# Altium PCB PCB_ovladaci_karta.PcbDoc (part 3 of 4)
Units mm, origin at the board's own origin, x right, y up, seen from the top; angles counter-clockwise.
Board outline 99.2 x 100 mm, 6 copper layers (Top Layer, Inner Layer 2(GND), Inner Layer 3, Inner Layer 4, Inner Layer 5, Bottom Layer 1), stack 1.548 mm thick; 236 components, 248 nets, 895 pads, 601 vias.
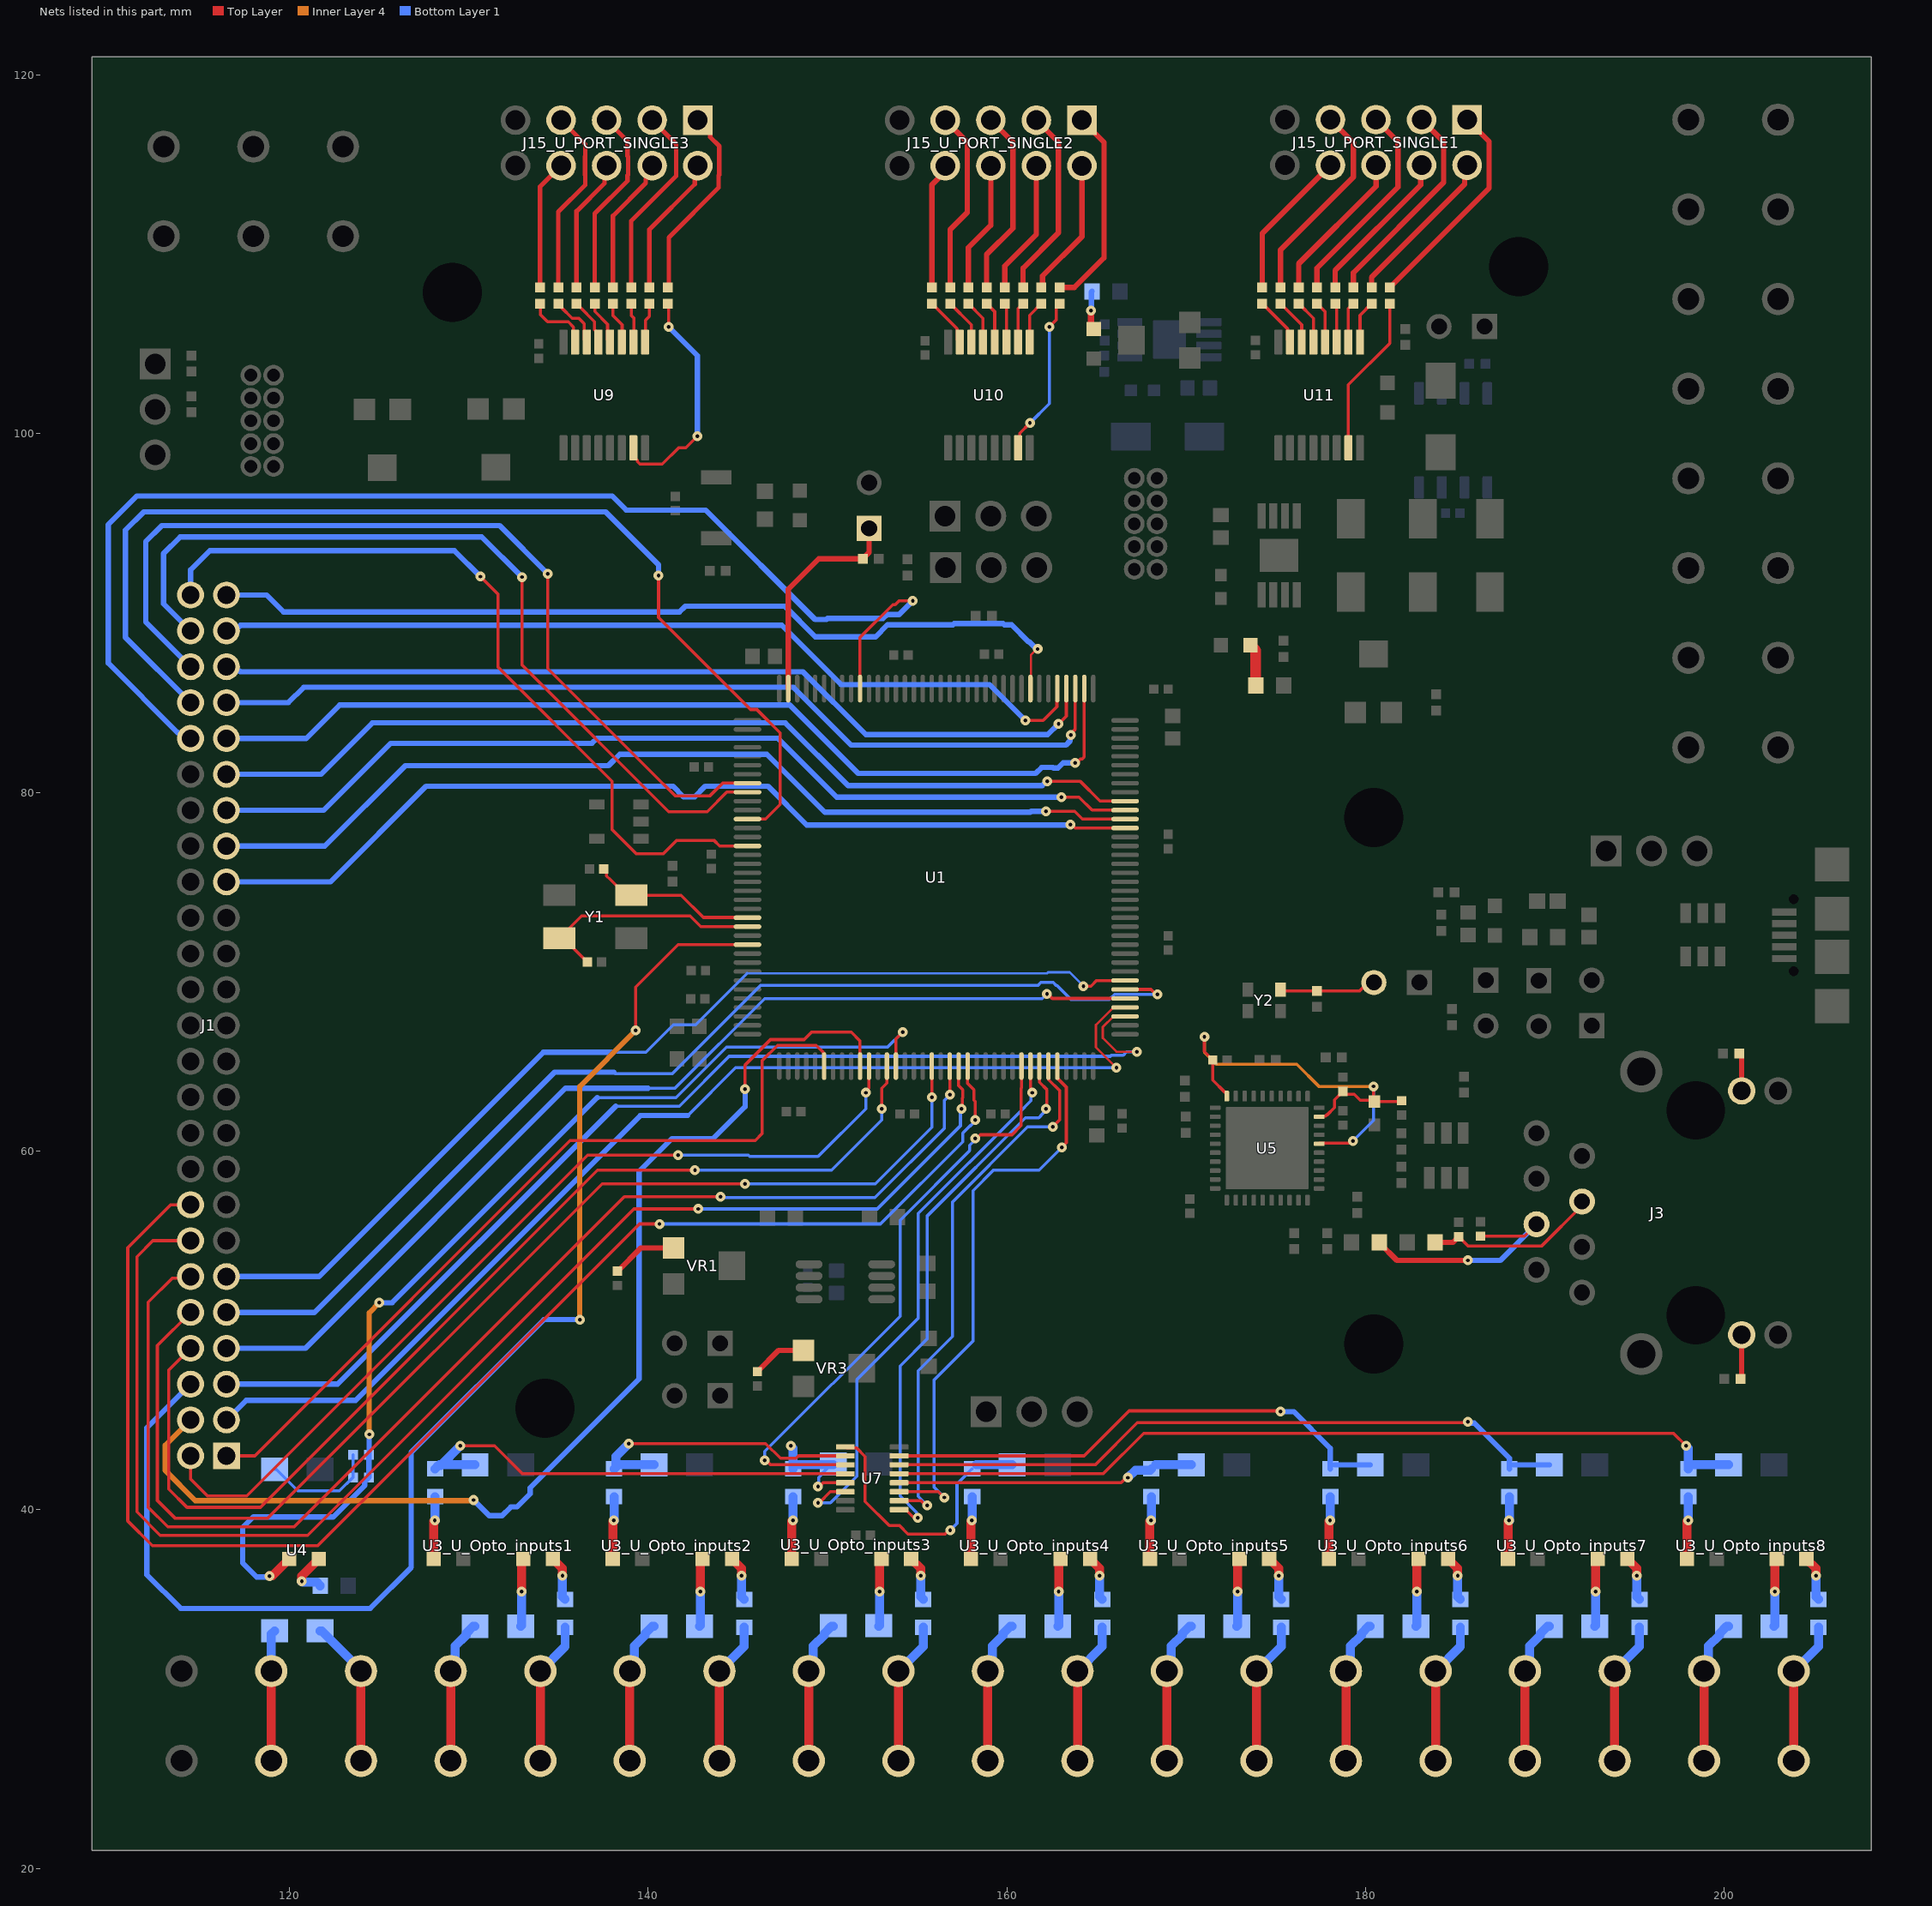
[diagram p7: the nets of this part, all layers, seen from the top]

## Via types
v1: diameter 0.55, hole 0.21, Top Layer to Bottom Layer 1, tented both sides, 589 vias
v2: diameter 0.5, hole 0.2, Top Layer to Bottom Layer 1, 12 vias

## Nets (pads, with @x,y where several pads share a name; then routed paths per layer and width w, separated by ;. In a path a pad name is that pad's centre, name@x,y a point inside that pad or via, vN(x,y) a via of type N, cw(c..) or ccw(c..) an arc to the next point about the centre after c; other vN are vias at no path point) (continued)
MUX_D_6: J1.1 U1.42 | length 46.1
  Top Layer w0.17: J1.1@116.5,43 118.082,43 135.661,60.579 145.974,60.579 146.368,60.973 146.368,65.037 147.218,65.888 149.381,65.888 149.78,65.489 149.78,65.442 149.82,65.402 U1.42@149.82,64.73
MUX_D_7: J1.2 U1.47 | length 50.8
  Top Layer w0.17: J1.2@114.5,43 114.5,41.71 115.443,40.767 117.627,40.767 136.627,59.766 v1(141.681,59.766) ; v1(152.146,63.246) 152.146,63.335 152.32,63.509 U1.47@152.32,64.73
  Bottom Layer 1 w0.17: v1(141.681,59.766) 145.587,59.766 145.663,59.69 149.479,59.69 152.146,62.357 v1(152.146,63.246)
MUX_D_8: J1.4 U1.46 | length 64.3
  Top Layer w0.17: v1(145.415,63.449) 145.415,64.795 146.828,66.208 148.707,66.208 149.123,66.624 151.333,66.624 151.82,66.137 U1.46@151.82,64.73
  Inner Layer 4 w0.3: J1.4@114.5,45 113.081,43.581 113.081,42.189 114.764,40.507 130.245,40.507 v1(130.277,40.538)
  Bottom Layer 1 w0.3: v1(130.277,40.538) 131.15,39.665 131.865,39.665 132.351,40.151 132.697,40.151 133.426,40.879 133.426,41.226 139.497,47.297 139.497,58.852 141.326,60.681 143.621,60.681 145.415,62.475 v1(145.415,63.449)
MUX_D_9: J1.6 U1.26 | length 74
  Top Layer w0.17: v1(139.319,66.726) 139.319,69.139 141.685,71.505 U1.26@145.545,71.505
  Inner Layer 4 w0.3: v1(136.195,50.597) 136.195,63.602 v1(139.319,66.726)
  Bottom Layer 1 w0.3: J1.6@114.5,47 112.065,44.565 112.065,36.373 113.944,34.493 124.511,34.493 126.8,36.782 126.8,43.2 134.197,50.597 v1(136.195,50.597)
MUX_D_10: J1.8 U1.49 | length 60.6
  Top Layer w0.17: J1.8@114.5,49 113.284,47.784 113.284,41.148 114.3,40.132 118.389,40.132 137.185,58.928 v1(142.621,58.928) ; v1(153.035,62.357) 153.035,63.5 153.32,63.785 U1.49@153.32,64.73
  Bottom Layer 1 w0.17: v1(142.621,58.928) 150.241,58.928 153.035,61.722 v1(153.035,62.357)
MUXes_1to5__A0: J1.33 U1.96 | length 53.8
  Top Layer w0.17: v1(163.54,78.189) 163.62,78.189 163.804,78.005 U1.96@166.595,78.005
  Bottom Layer 1 w0.3: J1.33@116.5,75 122.295,75 127.635,80.34 141.387,80.34 141.974,79.753 142.608,79.753 143.195,80.34 146.685,80.34 148.847,78.178 163.529,78.178 v1(163.54,78.189)
MUXes_1to5__A1: J1.37 U1.98 | length 53.4
  Top Layer w0.17: v1(163.043,79.731) 164.033,79.731 164.759,79.005 U1.98@166.595,79.005
  Bottom Layer 1 w0.3: J1.37@116.5,79 121.926,79 125.654,82.728 136.872,82.728 137.152,83.007 147.244,83.007 150.52,79.731 v1(163.043,79.731)
MUXes_1to5__A2: J1.39 U1.99 | length 53.3
  Top Layer w0.17: v1(162.255,80.62) 164.084,80.62 165.199,79.505 U1.99@166.595,79.505
  Bottom Layer 1 w0.3: J1.39@116.5,81 121.767,81 124.638,83.871 147.65,83.871 151.155,80.366 161.979,80.366 162.233,80.62 v1(162.255,80.62)
MUXes_1to5_nEN: J1.35 U1.97 | length 53.8
  Top Layer w0.17: v1(162.188,78.943) 163.779,78.943 164.217,78.505 U1.97@166.595,78.505
  Bottom Layer 1 w0.3: J1.35@116.5,77 121.983,77 126.467,81.483 137.795,81.483 138.433,82.121 146.631,82.121 149.86,78.892 161.315,78.892 161.366,78.943 v1(162.188,78.943)
MUXes_6TO10_A0: J1.12 U1.56 | length 72.1
  Top Layer w0.17: J1.12@114.5,53 114.416,52.916 113.495,52.916 112.141,51.562 112.141,40.132 113.226,39.047 120.273,39.047 138.681,57.455 v1(144.043,57.455) ; U1.56@156.82,64.73 156.832,64.717 v1(156.832,63.132)
  Bottom Layer 1 w0.17: v1(144.043,57.455) 144.094,57.404 152.654,57.404 156.529,61.279 156.529,62.828 v1(156.832,63.132)
MUXes_6TO10_A1: J1.16 U1.58 | length 80.9
  Top Layer w0.17: J1.16@114.5,57 113.388,57 110.998,54.61 110.998,39.37 112.368,38 112.964,38 112.967,37.997 120.713,37.997 120.716,38 121.591,38 139.522,55.931 v1(140.64,55.931) ; U1.58@157.82,64.73 157.82,63.766 158.177,63.409 158.177,62.829 158.242,62.764 v1(158.242,61.722)
  Bottom Layer 1 w0.17: v1(140.64,55.931) 152.959,55.931 157.542,60.514 157.542,60.996 157.952,61.406 157.985,61.406 158.242,61.663 v1(158.242,61.722)
MUXes_6TO10_A2: J1.14 U1.57 | length 77
  Top Layer w0.17: J1.14@114.5,55 112.404,55 111.506,54.102 111.506,39.878 112.811,38.573 121.021,38.573 139.217,56.769 v1(142.799,56.769) ; U1.57@157.32,64.73 157.32,63.634 157.545,63.409 157.545,62.96 157.532,62.948 157.532,62.409 v1(157.48,62.357)
  Bottom Layer 1 w0.17: v1(142.799,56.769) 152.781,56.769 157.417,61.405 157.417,62.294 v1(157.48,62.357)
MUXes_6TO10_nEN: J1.10 U1.54 | length 67.3
  Top Layer w0.17: J1.10@114.5,51 112.649,49.149 112.649,40.513 113.629,39.533 118.806,39.533 137.439,58.166 v1(145.415,58.166) ; U1.54@155.82,64.73 155.824,64.725 155.824,62.997 v1(155.829,62.992)
  Bottom Layer 1 w0.17: v1(145.415,58.166) 152.679,58.166 155.829,61.316 v1(155.829,62.992)
NetC31_1: C31.1 J3.4 R46.1 | length 9.7
  Top Layer w0.17: C31.1@185.191,55.22 185.7,54.711 189.828,54.711 192.07,56.953 J3.4@192.07,57.185
  Top Layer w0.3: R46.1@183.877,54.9 184.872,54.9 C31.1@185.191,55.22
NetC32_1: C32.1 J3.5 R52.1 | length 13.4
  Top Layer w0.17: C32.1@186.411,55.245 188.86,55.245 J3.5@189.53,55.915
  Top Layer w0.3: R52.1@180.777,54.9 180.777,54.873 181.75,53.9 v1(185.7,53.9)
  Bottom Layer 1 w0.3: v1(185.7,53.9) 187.515,53.9 J3.5@189.53,55.915
NetC40_1: C40.1 VR1.1 | length 3.7
  Top Layer w0.3: C40.1@138.3,53.3 139.594,54.594 VR1.1@141.429,54.594
NetC43_1: C43.1 VR3.1 | length 3.1
  Top Layer w0.3: C43.1@146.1,47.7 147.279,48.879 VR3.1@148.668,48.879
NetD1_U_Opto_inputs1_2: D1_U_Opto_inputs1.2 R6_U_Opto_inputs1.1 | length 3.5
  Top Layer w0.5: D1_U_Opto_inputs1.2@128.054,37.25 128.054,39.348 v1(128.114,39.408)
  Bottom Layer 1 w0.5: v1@128.122,39.37 128.129,39.377 R6_U_Opto_inputs1.1@128.129,40.723
NetD1_U_Opto_inputs2_2: D1_U_Opto_inputs2.2 R6_U_Opto_inputs2.1 | length 3.5
  Top Layer w0.5: D1_U_Opto_inputs2.2@138.035,37.25 138.035,39.348 v1(138.096,39.408)
  Bottom Layer 1 w0.5: v1@138.103,39.37 138.11,39.377 R6_U_Opto_inputs2.1@138.11,40.723
NetD1_U_Opto_inputs3_2: D1_U_Opto_inputs3.2 R6_U_Opto_inputs3.1 | length 3.5
  Top Layer w0.5: D1_U_Opto_inputs3.2@148.017,37.25 148.017,39.348 v1(148.077,39.408)
  Bottom Layer 1 w0.5: v1@148.085,39.37 148.092,39.377 R6_U_Opto_inputs3.1@148.092,40.723
NetD1_U_Opto_inputs4_2: D1_U_Opto_inputs4.2 R6_U_Opto_inputs4.1 | length 3.5
  Top Layer w0.5: D1_U_Opto_inputs4.2@157.999,37.25 157.999,39.348 v1(158.059,39.408)
  Bottom Layer 1 w0.5: v1@158.067,39.37 158.074,39.377 R6_U_Opto_inputs4.1@158.074,40.723
NetD1_U_Opto_inputs5_2: D1_U_Opto_inputs5.2 R6_U_Opto_inputs5.1 | length 3.5
  Top Layer w0.5: D1_U_Opto_inputs5.2@167.98,37.25 167.98,39.348 v1(168.04,39.408)
  Bottom Layer 1 w0.5: v1@168.048,39.37 168.055,39.377 R6_U_Opto_inputs5.1@168.055,40.723
NetD1_U_Opto_inputs6_2: D1_U_Opto_inputs6.2 R6_U_Opto_inputs6.1 | length 3.5
  Top Layer w0.5: D1_U_Opto_inputs6.2@177.962,37.25 177.962,39.348 v1(178.022,39.408)
  Bottom Layer 1 w0.5: v1@178.03,39.37 178.037,39.377 R6_U_Opto_inputs6.1@178.037,40.723
NetD1_U_Opto_inputs7_2: D1_U_Opto_inputs7.2 R6_U_Opto_inputs7.1 | length 3.5
  Top Layer w0.5: D1_U_Opto_inputs7.2@187.943,37.25 187.943,39.348 v1(188.004,39.408)
  Bottom Layer 1 w0.5: v1@188.011,39.37 188.018,39.377 R6_U_Opto_inputs7.1@188.018,40.723
NetD1_U_Opto_inputs8_2: D1_U_Opto_inputs8.2 R6_U_Opto_inputs8.1 | length 3.5
  Top Layer w0.5: D1_U_Opto_inputs8.2@197.925,37.25 197.925,39.348 v1(197.985,39.408)
  Bottom Layer 1 w0.5: v1@197.993,39.37 198,39.377 R6_U_Opto_inputs8.1@198,40.723
NetD2_1: D2.1 R13.2 | length 2.4
  Top Layer w0.6: D2.1@173.586,88.202 173.883,87.905 R13.2@173.883,85.952
NetD11_1: D11.1 R44.2 | length 2.2
  Top Layer w0.37: v1(164.694,106.858) 164.694,105.981 D11.1@164.846,105.829
  Bottom Layer 1 w0.3: v1(164.694,106.858) 164.724,106.889 164.724,107.894 R44.2@164.755,107.925
NetJ3_L1: J3.L1 R23.2 | length 2.5
  Top Layer w0.17: R23.2@200.907,47.295 R23.2@200.97,47.358
  Top Layer w0.3: R23.2@200.97,47.358 J3.L1@200.97,49.75
NetJ3_L3: J3.L3 R5.2 | length 2.1
  Top Layer w0.17: R5.2@200.831,65.43 R5.2@200.97,65.291
  Top Layer w0.3: J3.L3@200.97,63.35 R5.2@200.97,65.291
NetJ15_U_PORT_SINGLE1_1: J15_U_PORT_SINGLE1.1 R15_U_PORT_SINGLE1.1 | length 12.2
  Top Layer w0.3: R15_U_PORT_SINGLE1.1@181.356,108.146 186.893,113.683 186.893,116.271 J15_U_PORT_SINGLE1.1@185.664,117.5
NetJ15_U_PORT_SINGLE1_2: J15_U_PORT_SINGLE1.2 R16_U_PORT_SINGLE1.2 | length 9
  Top Layer w0.3: R16_U_PORT_SINGLE1.2@180.34,108.146 180.34,108.712 185.525,113.897 185.525,114.82 J15_U_PORT_SINGLE1.2@185.664,114.96
NetJ15_U_PORT_SINGLE1_3: J15_U_PORT_SINGLE1.3 R17_U_PORT_SINGLE1.1 | length 11.9
  Top Layer w0.3: R17_U_PORT_SINGLE1.1@179.324,108.146 179.324,108.966 184.353,113.995 184.353,116.271 J15_U_PORT_SINGLE1.3@183.124,117.5
NetJ15_U_PORT_SINGLE1_4: J15_U_PORT_SINGLE1.4 R24_U_PORT_SINGLE1.2 | length 8.8
  Top Layer w0.3: R24_U_PORT_SINGLE1.2@178.308,108.146 178.308,109.093 183.076,113.861 183.076,114.911 J15_U_PORT_SINGLE1.4@183.124,114.96
NetJ15_U_PORT_SINGLE1_5: J15_U_PORT_SINGLE1.5 R26_U_PORT_SINGLE1.1 | length 11.7
  Top Layer w0.3: R26_U_PORT_SINGLE1.1@177.292,108.146 177.292,109.22 181.813,113.741 181.813,116.271 J15_U_PORT_SINGLE1.5@180.584,117.5
NetJ15_U_PORT_SINGLE1_6: J15_U_PORT_SINGLE1.6 R37_U_PORT_SINGLE1.2 | length 8.6
  Top Layer w0.3: R37_U_PORT_SINGLE1.2@176.276,108.146 176.276,109.474 180.584,113.782 J15_U_PORT_SINGLE1.6@180.584,114.96
NetJ15_U_PORT_SINGLE1_7: J15_U_PORT_SINGLE1.7 R39_U_PORT_SINGLE1.1 | length 11.6
  Top Layer w0.3: R39_U_PORT_SINGLE1.1@175.26,108.146 175.26,110.236 179.324,114.3 179.324,116.22 J15_U_PORT_SINGLE1.7@178.044,117.5
NetJ15_U_PORT_SINGLE1_8: J15_U_PORT_SINGLE1.8 R40_U_PORT_SINGLE1.2 | length 8.4
  Top Layer w0.3: R40_U_PORT_SINGLE1.2@174.244,108.146 174.244,111.16 J15_U_PORT_SINGLE1.8@178.044,114.96
NetJ15_U_PORT_SINGLE2_1: J15_U_PORT_SINGLE2.1 R15_U_PORT_SINGLE2.1 | length 11.3
  Top Layer w0.3: R15_U_PORT_SINGLE2.1@162.941,108.146 163.772,108.146 165.421,109.795 165.421,116.242 J15_U_PORT_SINGLE2.1@164.192,117.471
NetJ15_U_PORT_SINGLE2_2: J15_U_PORT_SINGLE2.2 R16_U_PORT_SINGLE2.2 | length 7.7
  Top Layer w0.3: R16_U_PORT_SINGLE2.2@161.925,108.146 161.999,108.22 161.999,108.786 164.192,110.979 J15_U_PORT_SINGLE2.2@164.192,114.931
NetJ15_U_PORT_SINGLE2_3: J15_U_PORT_SINGLE2.3 R17_U_PORT_SINGLE2.1 | length 10.7
  Top Layer w0.3: R17_U_PORT_SINGLE2.1@160.909,108.146 160.909,109.22 162.881,111.192 162.881,116.242 J15_U_PORT_SINGLE2.3@161.652,117.471
NetJ15_U_PORT_SINGLE2_4: J15_U_PORT_SINGLE2.4 R24_U_PORT_SINGLE2.2 | length 7.5
  Top Layer w0.3: R24_U_PORT_SINGLE2.2@159.893,108.146 159.893,109.347 161.652,111.106 J15_U_PORT_SINGLE2.4@161.652,114.931
NetJ15_U_PORT_SINGLE2_5: J15_U_PORT_SINGLE2.5 R26_U_PORT_SINGLE2.1 | length 10.4
  Top Layer w0.3: R26_U_PORT_SINGLE2.1@158.877,108.146 158.877,109.982 160.341,111.446 160.341,116.242 J15_U_PORT_SINGLE2.5@159.112,117.471
NetJ15_U_PORT_SINGLE2_6: J15_U_PORT_SINGLE2.6 R37_U_PORT_SINGLE2.2 | length 7.3
  Top Layer w0.3: R37_U_PORT_SINGLE2.2@157.861,108.146 157.861,110.363 159.112,111.614 J15_U_PORT_SINGLE2.6@159.112,114.931
NetJ15_U_PORT_SINGLE2_7: J15_U_PORT_SINGLE2.7 R39_U_PORT_SINGLE2.1 | length 10.2
  Top Layer w0.3: J15_U_PORT_SINGLE2.7@156.572,117.471 157.801,116.242 157.801,112.333 156.845,111.377 R39_U_PORT_SINGLE2.1@156.845,108.146
NetJ15_U_PORT_SINGLE2_8: J15_U_PORT_SINGLE2.8 R40_U_PORT_SINGLE2.2 | length 7.1
  Top Layer w0.3: R40_U_PORT_SINGLE2.2@155.829,108.146 155.829,113.871 156.572,114.614 J15_U_PORT_SINGLE2.8@156.572,114.931
NetJ15_U_PORT_SINGLE3_1: J15_U_PORT_SINGLE3.1 R15_U_PORT_SINGLE3.1 | length 11
  Top Layer w0.25: R15_U_PORT_SINGLE3.1@141.162,108.146 141.162,110.936 143.937,113.711 143.937,114.396 143.977,114.436 143.977,116.023 143.473,116.527 143.473,116.775 J15_U_PORT_SINGLE3.1@142.773,117.475
NetJ15_U_PORT_SINGLE3_2: J15_U_PORT_SINGLE3.2 R16_U_PORT_SINGLE3.2 | length 7.9
  Top Layer w0.25: R16_U_PORT_SINGLE3.2@140.081,108.146 140.081,111.379 142.607,113.905 142.607,114.768 J15_U_PORT_SINGLE3.2@142.773,114.935
NetJ15_U_PORT_SINGLE3_3: J15_U_PORT_SINGLE3.3 R17_U_PORT_SINGLE3.1 | length 10.9
  Top Layer w0.25: R17_U_PORT_SINGLE3.1@139.065,108.146 139.065,111.853 141.569,114.358 141.569,116.139 J15_U_PORT_SINGLE3.3@140.233,117.475
NetJ15_U_PORT_SINGLE3_4: J15_U_PORT_SINGLE3.4 R24_U_PORT_SINGLE3.2 | length 7.7
  Top Layer w0.25: R24_U_PORT_SINGLE3.2@138.049,108.146 138.049,112.141 139.876,113.968 139.876,114.199 140.233,114.556 J15_U_PORT_SINGLE3.4@140.233,114.935
NetJ15_U_PORT_SINGLE3_5: J15_U_PORT_SINGLE3.5 R26_U_PORT_SINGLE3.1 | length 10.6
  Top Layer w0.25: R26_U_PORT_SINGLE3.1@137.033,108.146 137.033,112.268 138.857,114.092 138.857,114.396 138.897,114.436 138.897,115.434 138.857,115.474 138.857,116.311 J15_U_PORT_SINGLE3.5@137.693,117.475
NetJ15_U_PORT_SINGLE3_6: J15_U_PORT_SINGLE3.6 R37_U_PORT_SINGLE3.2 | length 7.5
  Top Layer w0.25: R37_U_PORT_SINGLE3.2@136.017,108.146 136.017,112.395 137.577,113.955 137.577,114.818 J15_U_PORT_SINGLE3.6@137.693,114.935
NetJ15_U_PORT_SINGLE3_7: J15_U_PORT_SINGLE3.7 R39_U_PORT_SINGLE3.1 | length 10.5
  Top Layer w0.25: R39_U_PORT_SINGLE3.1@135.001,108.146 135.001,112.361 136.5,113.86 136.5,114.426 136.489,114.436 136.489,115.434 136.5,115.444 136.5,116.128 J15_U_PORT_SINGLE3.7@135.153,117.475
NetJ15_U_PORT_SINGLE3_8: J15_U_PORT_SINGLE3.8 R40_U_PORT_SINGLE3.2 | length 7.3
  Top Layer w0.25: R40_U_PORT_SINGLE3.2@133.985,108.146 133.985,113.767 J15_U_PORT_SINGLE3.8@135.153,114.935
NetR6_U_Opto_inputs1_2: R6_U_Opto_inputs1.2 U3_U_Opto_inputs1.3 U7.4 | length 26
  Top Layer w0.17: v1(129.54,43.561) 131.445,43.561 133.006,42 U7.4@151,42
  Bottom Layer 1 w0.5: R6_U_Opto_inputs1.2@128.129,42.277 128.302,42.45 128.429,42.45 v1(129.54,43.561) ; R6_U_Opto_inputs1.2@128.379,42.5 U3_U_Opto_inputs1.3@130.359,42.5
NetR6_U_Opto_inputs2_2: R6_U_Opto_inputs2.2 U3_U_Opto_inputs2.3 U7.2 | length 16.2
  Top Layer w0.17: v1(138.938,43.688) 146.558,43.688 147.385,42.861 148.248,42.861 148.387,43 U7.2@151,43
  Bottom Layer 1 w0.5: R6_U_Opto_inputs2.2@138.11,42.277 138.206,42.372 138.206,42.956 v1(138.938,43.688) ; R6_U_Opto_inputs2.2@138.36,42.5 U3_U_Opto_inputs2.3@140.34,42.5
NetR6_U_Opto_inputs3_2: R6_U_Opto_inputs3.2 U3_U_Opto_inputs3.3 U7.5 | length 6.6
  Top Layer w0.17: v1(149.479,41.3) 149.568,41.3 149.768,41.5 U7.5@151,41.5
  Bottom Layer 1 w0.17: v1(149.479,41.3) 149.517,41.338 149.517,41.795 149.657,41.935 149.657,41.976 150.182,42.5 U3_U_Opto_inputs3.3@150.322,42.5
  Bottom Layer 1 w0.5: v1(147.958,43.561) 148.092,43.427 R6_U_Opto_inputs3.2@148.092,42.277 ; R6_U_Opto_inputs3.2@148.342,42.5 U3_U_Opto_inputs3.3@150.322,42.5
NetR6_U_Opto_inputs4_2: R6_U_Opto_inputs4.2 U3_U_Opto_inputs4.3 U7.1 | length 15.3
  Top Layer w0.17: U7.1@151,43.5 151.065,43.435 151.566,43.435 151.567,43.434 151.638,43.434 152.102,42.97 152.102,40.459 153.452,39.109 154.026,39.109 154.49,38.645 156.555,38.645 156.772,38.862 v1(156.845,38.862)
  Bottom Layer 1 w0.17: v1(156.845,38.862) 157.226,39.243 157.226,41.429 157.703,41.906 157.703,41.932 158.047,42.277 R6_U_Opto_inputs4.2@158.074,42.277
  Bottom Layer 1 w0.5: R6_U_Opto_inputs4.2@158.324,42.5 U3_U_Opto_inputs4.3@160.304,42.5
NetR6_U_Opto_inputs5_2: R6_U_Opto_inputs5.2 U3_U_Opto_inputs5.3 U7.12 | length 16.4
  Top Layer w0.17: U7.12@154,41.5 166.379,41.5 166.662,41.783 v1(166.751,41.783)
  Bottom Layer 1 w0.5: v1(166.751,41.783) 167.177,42.209 167.987,42.209 R6_U_Opto_inputs5.2@168.055,42.277 ; R6_U_Opto_inputs5.2@168.305,42.5 U3_U_Opto_inputs5.3@170.285,42.5
NetR6_U_Opto_inputs6_2: R6_U_Opto_inputs6.2 U3_U_Opto_inputs6.3 U7.15 | length 29.1
  Top Layer w0.17: U7.15@154,43 164.31,43 166.819,45.509 175.217,45.509 v1(175.26,45.466)
  Bottom Layer 1 w0.3: v1(175.26,45.466) 175.998,45.466 178.037,43.427 R6_U_Opto_inputs6.2@178.037,42.277 ; R6_U_Opto_inputs6.2@178.287,42.5 U3_U_Opto_inputs6.3@180.267,42.5
NetR6_U_Opto_inputs7_2: R6_U_Opto_inputs7.2 U3_U_Opto_inputs7.3 U7.14 | length 38.4
  Top Layer w0.17: U7.14@154,42.5 164.928,42.5 167.28,44.852 185.652,44.852 v1(185.7,44.9)
  Bottom Layer 1 w0.3: v1(185.7,44.9) 185.773,44.827 186.059,44.827 188.018,42.868 R6_U_Opto_inputs7.2@188.018,42.277 ; R6_U_Opto_inputs7.2@188.268,42.5 U3_U_Opto_inputs7.3@190.248,42.5
NetR6_U_Opto_inputs8_2: R6_U_Opto_inputs8.2 U3_U_Opto_inputs8.3 U7.13 | length 48.4
  Top Layer w0.17: U7.13@154,42 165.37,42 167.631,44.261 197.166,44.261 v1(197.866,43.561)
  Bottom Layer 1 w0.5: v1(197.866,43.561) 198,43.427 R6_U_Opto_inputs8.2@198,42.277 ; R6_U_Opto_inputs8.2@198.25,42.5 U3_U_Opto_inputs8.3@200.23,42.5
NetR15_U_PORT_SINGLE1_2: R15_U_PORT_SINGLE1.2 U11.15 | length 9
  Top Layer w0.17: U11.15@179.044,99.202 179.044,102.717 181.356,105.029 R15_U_PORT_SINGLE1.2@181.356,107.246
NetR15_U_PORT_SINGLE2_2: R15_U_PORT_SINGLE2.2 U10.15 | length 9
  Top Layer w0.17: U10.15@160.629,99.202 160.727,99.3 160.727,100.021 v1(161.29,100.584) ; v1(162.382,105.943) 162.382,105.955 162.751,106.324 162.751,107.056 R15_U_PORT_SINGLE2.2@162.941,107.246
  Bottom Layer 1 w0.17: v1(161.29,100.584) 162.382,101.676 v1(162.382,105.943)
NetR15_U_PORT_SINGLE3_2: R15_U_PORT_SINGLE3.2 U9.15 | length 13
  Top Layer w0.17: U9.15@139.187,99.202 139.187,98.727 139.4,98.514 139.4,98.444 139.553,98.29 140.789,98.29 141.711,99.212 142.113,99.212 v1(142.748,99.847) ; R15_U_PORT_SINGLE3.2@141.097,107.246 141.148,107.195 v1(141.148,105.943)
  Bottom Layer 1 w0.3: v1(141.148,105.943) 142.748,104.343 v1(142.748,99.847)
NetR16_U_PORT_SINGLE1_1: R16_U_PORT_SINGLE1.1 U11.1 | length 2.4
  Top Layer w0.17: U11.1@179.694,105.102 179.694,106.6 R16_U_PORT_SINGLE1.1@180.34,107.246
NetR16_U_PORT_SINGLE2_1: R16_U_PORT_SINGLE2.1 U10.1 | length 2.4
  Top Layer w0.17: U10.1@161.279,105.102 161.279,106.6 R16_U_PORT_SINGLE2.1@161.925,107.246
NetR16_U_PORT_SINGLE3_1: R16_U_PORT_SINGLE3.1 U9.1 | length 2.2
  Top Layer w0.17: U9.1@139.837,105.102 139.859,105.124 139.859,106.314 140.081,106.536 R16_U_PORT_SINGLE3.1@140.081,107.246
NetR17_U_PORT_SINGLE1_2: R17_U_PORT_SINGLE1.2 U11.2 | length 2.3
  Top Layer w0.17: U11.2@179.044,105.102 179.044,106.966 R17_U_PORT_SINGLE1.2@179.324,107.246
NetR17_U_PORT_SINGLE2_2: R17_U_PORT_SINGLE2.2 U10.2 | length 2.3
  Top Layer w0.17: U10.2@160.629,105.102 160.629,106.966 R17_U_PORT_SINGLE2.2@160.909,107.246
NetR17_U_PORT_SINGLE3_2: R17_U_PORT_SINGLE3.2 U9.2 | length 2.2
  Top Layer w0.17: R17_U_PORT_SINGLE3.2@139.065,107.246 139.065,106.58 139.209,106.436 139.209,105.124 U9.2@139.187,105.102
NetR24_U_PORT_SINGLE1_1: R24_U_PORT_SINGLE1.1 U11.3 | length 2.2
  Top Layer w0.17: R24_U_PORT_SINGLE1.1@178.308,107.246 178.394,107.16 U11.3@178.394,105.102
NetR24_U_PORT_SINGLE2_1: R24_U_PORT_SINGLE2.1 U10.3 | length 2.2
  Top Layer w0.17: R24_U_PORT_SINGLE2.1@159.893,107.246 159.979,107.16 U10.3@159.979,105.102
NetR24_U_PORT_SINGLE3_1: R24_U_PORT_SINGLE3.1 U9.3 | length 2.4
  Top Layer w0.17: R24_U_PORT_SINGLE3.1@138.049,107.246 138.049,106.58 138.559,106.07 138.559,105.124 U9.3@138.537,105.102
NetR26_U_PORT_SINGLE1_2: R26_U_PORT_SINGLE1.2 U11.4 | length 2.3
  Top Layer w0.17: R26_U_PORT_SINGLE1.2@177.292,107.246 177.744,106.794 U11.4@177.744,105.102
NetR26_U_PORT_SINGLE2_2: R26_U_PORT_SINGLE2.2 U10.4 | length 2.3
  Top Layer w0.17: R26_U_PORT_SINGLE2.2@158.877,107.246 159.329,106.794 U10.4@159.329,105.102
NetR26_U_PORT_SINGLE3_2: R26_U_PORT_SINGLE3.2 U9.4 | length 2.5
  Top Layer w0.17: R26_U_PORT_SINGLE3.2@137.033,107.246 137.033,106.807 137.747,106.093 137.747,105.242 U9.4@137.887,105.102
NetR37_U_PORT_SINGLE1_1: R37_U_PORT_SINGLE1.1 U11.5 | length 2.5
  Top Layer w0.17: R37_U_PORT_SINGLE1.1@176.276,107.246 177.094,106.428 U11.5@177.094,105.102
NetR37_U_PORT_SINGLE2_1: R37_U_PORT_SINGLE2.1 U10.5 | length 2.5
  Top Layer w0.17: R37_U_PORT_SINGLE2.1@157.861,107.246 158.679,106.428 U10.5@158.679,105.102
NetR37_U_PORT_SINGLE3_1: R37_U_PORT_SINGLE3.1 U9.5 | length 2.6
  Top Layer w0.17: R37_U_PORT_SINGLE3.1@136.017,107.246 136.207,107.056 137.024,106.239 137.024,105.79 137.237,105.577 U9.5@137.237,105.102
NetR39_U_PORT_SINGLE1_2: R39_U_PORT_SINGLE1.2 U11.6 | length 2.6
  Top Layer w0.17: R39_U_PORT_SINGLE1.2@175.26,107.246 176.444,106.062 U11.6@176.444,105.102
NetR39_U_PORT_SINGLE2_2: R39_U_PORT_SINGLE2.2 U10.6 | length 2.6
  Top Layer w0.17: R39_U_PORT_SINGLE2.2@156.845,107.246 158.029,106.062 U10.6@158.029,105.102
NetR39_U_PORT_SINGLE3_2: R39_U_PORT_SINGLE3.2 U9.6 | length 3
  Top Layer w0.17: R39_U_PORT_SINGLE3.2@135.001,107.246 135.191,107.056 135.191,107.01 135.775,106.426 136.144,106.426 136.447,106.123 136.447,105.242 U9.6@136.587,105.102
NetR40_U_PORT_SINGLE1_1: R40_U_PORT_SINGLE1.1 U11.7 | length 2.8
  Top Layer w0.17: R40_U_PORT_SINGLE1.1@174.244,107.246 175.654,105.836 175.654,105.242 U11.7@175.794,105.102
NetR40_U_PORT_SINGLE2_1: R40_U_PORT_SINGLE2.1 U10.7 | length 2.8
  Top Layer w0.17: R40_U_PORT_SINGLE2.1@155.829,107.246 157.239,105.836 157.239,105.242 U10.7@157.379,105.102
NetR40_U_PORT_SINGLE3_1: R40_U_PORT_SINGLE3.1 U9.7 | length 3.6
  Top Layer w0.17: R40_U_PORT_SINGLE3.1@133.985,107.246 134.007,107.224 134.007,106.625 134.403,106.229 135.552,106.229 135.849,105.931 135.849,105.19 U9.7@135.937,105.102
NMOS_SHFT_1TO5_NOE: J1.41 U1.110 | length 54.4
  Top Layer w0.17: v1(163.805,81.636) 163.894,81.636 164.102,81.844 164.2,81.844 164.32,81.964 U1.110@164.32,85.78
  Bottom Layer 1 w0.3: J1.41@116.5,83 120.948,83 122.809,84.861 147.904,84.861 151.714,81.051 161.605,81.051 161.938,81.385 162.572,81.385 162.609,81.348 162.857,81.348 163.145,81.636 v1(163.805,81.636)
NMOS_SHFT_1TO5_RCLK: J1.45 U1.112 | length 50.4
  Top Layer w0.17: v1(162.89,83.82) 163.32,84.25 U1.112@163.32,85.78
  Bottom Layer 1 w0.3: J1.45@116.5,87 116.73,86.77 117.221,86.77 117.276,86.716 148.641,86.716 152.146,83.21 162.281,83.21 v1(162.89,83.82)
NMOS_SHFT_1TO5_SER: J1.43 U1.111 | length 51.9
  Top Layer w0.17: v1(163.576,83.185) 163.576,83.274 163.82,83.518 U1.111@163.82,85.78
  Bottom Layer 1 w0.3: J1.43@116.5,85 119.95,85 120.802,85.852 148.107,85.852 151.333,82.626 163.297,82.626 163.538,82.867 163.538,83.147 v1(163.576,83.185)
NMOS_SHFT_1TO5_SRCLK: J1.47 U1.113 | length 50
  Top Layer w0.17: v1(161.036,83.998) 162.027,83.998 162.794,84.765 162.794,85.047 162.805,85.058 162.805,85.765 U1.113@162.82,85.78
  Bottom Layer 1 w0.3: J1.47@116.5,89 116.73,89.23 117.199,89.23 117.276,89.306 147.462,89.306 150.764,86.004 159.029,86.004 v1(161.036,83.998)
NMOS_SHFT_1TO5_SRCLR: J1.49 U1.116 | length 49.7
  Top Layer w0.127: U1.116@161.32,85.78 161.343,85.803 161.343,87.652 161.677,87.986 v1(161.722,87.986)
  Bottom Layer 1 w0.3: J1.49@116.5,91 118.728,91 119.68,90.048 141.758,90.048 142.083,90.373 147.625,90.373 149.327,88.671 152.69,88.671 153.35,89.332 157.002,89.332 157.072,89.401 159.793,89.401 159.863,89.332 160.269,89.332 161.21,88.391 161.262,88.391 161.668,87.986 v1(161.722,87.986)
NMOS_SHFT_6TO10_NOE: J1.5 U1.75 | length 62.8
  Top Layer w0.127: U1.75@166.595,67.505 165.945,67.505 165.354,66.914 165.354,66.294 166.116,65.532 v1(167.259,65.532)
  Bottom Layer 1 w0.17: 138.2,62.5 141.748,62.5 144.526,65.278 165.761,65.278 165.826,65.343 166.497,65.343 166.686,65.532 v1(167.259,65.532)
  Bottom Layer 1 w0.3: J1.5@116.5,47 122.7,47 138.2,62.5
NMOS_SHFT_6TO10_RCLK: J1.7 U1.77 | length 58.4
  Top Layer w0.17: v1(162.245,68.751) 162.289,68.751 162.534,68.505 U1.77@166.595,68.505
  Bottom Layer 1 w0.17: 140,63.5 141.5,63.5 146.5,68.5 161.965,68.5 162.215,68.751 v1(162.245,68.751)
  Bottom Layer 1 w0.3: J1.7@116.5,49 120.9,49 135.4,63.5 140,63.5
NMOS_SHFT_6TO10_SER: J1.3 U1.76 | length 62.6
  Top Layer w0.127: v1(166.116,64.643) 164.973,65.786 164.973,67.033 165.945,68.005 U1.76@166.595,68.005
  Bottom Layer 1 w0.17: 142.22,61.976 144.887,64.643 v1(166.116,64.643)
  Bottom Layer 1 w0.3: J1.3@116.5,45 117.601,46.101 123.701,46.101 139.576,61.976 142.22,61.976
NMOS_SHFT_6TO10_SRCLK: J1.9 U1.78 | length 62
  Top Layer w0.17: U1.78@166.595,69.005 168.049,69.005 168.318,68.735 v1(168.402,68.735)
  Bottom Layer 1 w0.17: 138.106,64.394 138.2,64.3 141.338,64.3 146.276,69.238 161.742,69.238 161.897,69.393 162.592,69.393 162.747,69.238 162.792,69.238 163.577,68.453 165.723,68.453 166.006,68.735 v1(168.402,68.735)
  Bottom Layer 1 w0.3: J1.9@116.5,51 121.4,51 134.794,64.394 138.106,64.394
NMOS_SHFT_6TO10_SRCLR: J1.11 U1.79 | length 57.6
  Top Layer w0.17: v1(164.277,69.191) 164.691,69.191 165.005,69.505 U1.79@166.595,69.505
  Bottom Layer 1 w0.127: 145.532,69.905 162.243,69.905 162.302,69.965 163.503,69.965 v1(164.277,69.191)
  Bottom Layer 1 w0.17: 138,65.5 139.886,65.5 141.414,67.029 142.656,67.029 145.532,69.905
  Bottom Layer 1 w0.3: J1.11@116.5,53 121.662,53 134.162,65.5 138,65.5
OPTO1_A: R7.2 R8.2 U4.1 | length 6.4
  Bottom Layer 1 w0.17: U4.1@119.177,42.244 119.277,42.244 120.475,41.046 122.797,41.046 R7.2@123.55,41.8 R8.2@123.55,43.05
OPTO_INPUT_A_U_Opto_inputs1: D5_U_Opto_inputs1.2 R11_U_Opto_inputs1.2 | length 2.5
  Top Layer w0.5: D5_U_Opto_inputs1.2@134.704,37.25 135.234,36.72 v1(135.234,36.322)
  Bottom Layer 1 w0.5: v1(135.234,36.322) 135.234,35.145 R11_U_Opto_inputs1.2@135.379,35
OPTO_INPUT_A_U_Opto_inputs2: D5_U_Opto_inputs2.2 R11_U_Opto_inputs2.2 | length 2.5
  Top Layer w0.5: D5_U_Opto_inputs2.2@144.685,37.25 145.215,36.72 v1(145.215,36.322)
  Bottom Layer 1 w0.5: v1(145.215,36.322) 145.215,35.145 R11_U_Opto_inputs2.2@145.36,35
OPTO_INPUT_A_U_Opto_inputs3: D5_U_Opto_inputs3.2 R11_U_Opto_inputs3.2 | length 2.5
  Top Layer w0.5: D5_U_Opto_inputs3.2@154.667,37.25 155.197,36.72 v1(155.197,36.322)
  Bottom Layer 1 w0.5: v1(155.197,36.322) 155.197,35.145 R11_U_Opto_inputs3.2@155.342,35
OPTO_INPUT_A_U_Opto_inputs4: D5_U_Opto_inputs4.2 R11_U_Opto_inputs4.2 | length 2.5
  Top Layer w0.5: D5_U_Opto_inputs4.2@164.649,37.25 165.179,36.72 v1(165.179,36.322)
  Bottom Layer 1 w0.5: v1(165.179,36.322) 165.179,35.145 R11_U_Opto_inputs4.2@165.324,35
OPTO_INPUT_A_U_Opto_inputs5: D5_U_Opto_inputs5.2 R11_U_Opto_inputs5.2 | length 2.5
  Top Layer w0.5: D5_U_Opto_inputs5.2@174.63,37.25 175.16,36.72 v1(175.16,36.322)
  Bottom Layer 1 w0.5: v1(175.16,36.322) 175.16,35.145 R11_U_Opto_inputs5.2@175.305,35
OPTO_INPUT_A_U_Opto_inputs6: D5_U_Opto_inputs6.2 R11_U_Opto_inputs6.2 | length 2.5
  Top Layer w0.5: D5_U_Opto_inputs6.2@184.612,37.25 185.142,36.72 v1(185.142,36.322)
  Bottom Layer 1 w0.5: v1(185.142,36.322) 185.142,35.145 R11_U_Opto_inputs6.2@185.287,35
OPTO_INPUT_A_U_Opto_inputs7: D5_U_Opto_inputs7.2 R11_U_Opto_inputs7.2 | length 2.5
  Top Layer w0.5: D5_U_Opto_inputs7.2@194.593,37.25 195.123,36.72 v1(195.123,36.322)
  Bottom Layer 1 w0.5: v1(195.123,36.322) 195.123,35.145 R11_U_Opto_inputs7.2@195.268,35
OPTO_INPUT_A_U_Opto_inputs8: D5_U_Opto_inputs8.2 R11_U_Opto_inputs8.2 | length 2.5
  Top Layer w0.5: D5_U_Opto_inputs8.2@204.575,37.25 205.105,36.72 v1(205.105,36.322)
  Bottom Layer 1 w0.5: v1(205.105,36.322) 205.105,35.145 R11_U_Opto_inputs8.2@205.25,35
OPTO_INPUT_GND_U_Opto_inputs1: J8_U_Opto_inputs1.1 J8_U_Opto_inputs1.2 U3_U_Opto_inputs1.2 | length 8.1
  Top Layer w0.5: J8_U_Opto_inputs1.2@129,26 J8_U_Opto_inputs1.1@129,31
  Bottom Layer 1 w0.5: J8_U_Opto_inputs1.1@129,31 129.249,31.249 129.249,32.39 129.859,33 129.859,33.1 130.259,33.5 U3_U_Opto_inputs1.2@130.359,33.5
OPTO_INPUT_GND_U_Opto_inputs2: J8_U_Opto_inputs2.1 J8_U_Opto_inputs2.2 U3_U_Opto_inputs2.2 | length 8.1
  Top Layer w0.5: J8_U_Opto_inputs2.2@138.982,26 J8_U_Opto_inputs2.1@138.982,31
  Bottom Layer 1 w0.5: J8_U_Opto_inputs2.1@138.982,31 139.23,31.249 139.23,32.39 139.84,33 139.84,33.1 140.24,33.5 U3_U_Opto_inputs2.2@140.34,33.5
OPTO_INPUT_GND_U_Opto_inputs3: J8_U_Opto_inputs3.1 J8_U_Opto_inputs3.2 U3_U_Opto_inputs3.2 | length 8.1
  Top Layer w0.5: J8_U_Opto_inputs3.2@148.963,26 J8_U_Opto_inputs3.1@148.963,31
  Bottom Layer 1 w0.5: J8_U_Opto_inputs3.1@148.963,31 149.212,31.249 149.212,32.39 149.822,33 149.822,33.1 150.222,33.5 U3_U_Opto_inputs3.2@150.322,33.5
OPTO_INPUT_GND_U_Opto_inputs4: J8_U_Opto_inputs4.1 J8_U_Opto_inputs4.2 U3_U_Opto_inputs4.2 | length 8.1
  Top Layer w0.5: J8_U_Opto_inputs4.2@158.945,26 J8_U_Opto_inputs4.1@158.945,31
  Bottom Layer 1 w0.5: J8_U_Opto_inputs4.1@158.945,31 159.194,31.249 159.194,32.39 159.804,33 159.804,33.1 160.204,33.5 U3_U_Opto_inputs4.2@160.304,33.5
OPTO_INPUT_GND_U_Opto_inputs5: J8_U_Opto_inputs5.1 J8_U_Opto_inputs5.2 U3_U_Opto_inputs5.2 | length 8.1
  Top Layer w0.5: J8_U_Opto_inputs5.2@168.926,26 J8_U_Opto_inputs5.1@168.926,31
  Bottom Layer 1 w0.5: J8_U_Opto_inputs5.1@168.926,31 169.175,31.249 169.175,32.39 169.785,33 169.785,33.1 170.185,33.5 U3_U_Opto_inputs5.2@170.285,33.5
OPTO_INPUT_GND_U_Opto_inputs6: J8_U_Opto_inputs6.1 J8_U_Opto_inputs6.2 U3_U_Opto_inputs6.2 | length 8.1
  Top Layer w0.5: J8_U_Opto_inputs6.2@178.908,26 J8_U_Opto_inputs6.1@178.908,31
  Bottom Layer 1 w0.5: J8_U_Opto_inputs6.1@178.908,31 179.157,31.249 179.157,32.39 179.767,33 179.767,33.1 180.167,33.5 U3_U_Opto_inputs6.2@180.267,33.5
OPTO_INPUT_GND_U_Opto_inputs7: J8_U_Opto_inputs7.1 J8_U_Opto_inputs7.2 U3_U_Opto_inputs7.2 | length 8.1
  Top Layer w0.5: J8_U_Opto_inputs7.2@188.89,26 J8_U_Opto_inputs7.1@188.89,31
  Bottom Layer 1 w0.5: J8_U_Opto_inputs7.1@188.89,31 189.138,31.249 189.138,32.39 189.748,33 189.748,33.1 190.148,33.5 U3_U_Opto_inputs7.2@190.248,33.5
OPTO_INPUT_GND_U_Opto_inputs8: J8_U_Opto_inputs8.1 J8_U_Opto_inputs8.2 U3_U_Opto_inputs8.2 | length 8.1
  Top Layer w0.5: J8_U_Opto_inputs8.2@198.871,26 J8_U_Opto_inputs8.1@198.871,31
  Bottom Layer 1 w0.5: J8_U_Opto_inputs8.1@198.871,31 199.12,31.249 199.12,32.39 199.73,33 199.73,33.1 200.13,33.5 U3_U_Opto_inputs8.2@200.23,33.5
OPTO_INPUT_K_U_Opto_inputs1: D5_U_Opto_inputs1.1 U3_U_Opto_inputs1.1 | length 3.8
  Top Layer w0.5: v1(132.948,35.433) 132.948,37.144 D5_U_Opto_inputs1.1@133.054,37.25
  Bottom Layer 1 w0.5: U3_U_Opto_inputs1.1@132.899,33.5 132.948,33.549 v1(132.948,35.433)
OPTO_INPUT_K_U_Opto_inputs2: D5_U_Opto_inputs2.1 U3_U_Opto_inputs2.1 | length 3.8
  Top Layer w0.5: v1(142.929,35.433) 142.929,37.144 D5_U_Opto_inputs2.1@143.035,37.25
  Bottom Layer 1 w0.5: U3_U_Opto_inputs2.1@142.88,33.5 142.929,33.549 v1(142.929,35.433)
OPTO_INPUT_K_U_Opto_inputs3: D5_U_Opto_inputs3.1 U3_U_Opto_inputs3.1 | length 3.8
  Top Layer w0.5: v1(152.911,35.433) 152.911,37.144 D5_U_Opto_inputs3.1@153.017,37.25
  Bottom Layer 1 w0.5: U3_U_Opto_inputs3.1@152.862,33.5 152.911,33.549 v1(152.911,35.433)
OPTO_INPUT_K_U_Opto_inputs4: D5_U_Opto_inputs4.1 U3_U_Opto_inputs4.1 | length 3.8
  Top Layer w0.5: v1(162.893,35.433) 162.893,37.144 D5_U_Opto_inputs4.1@162.999,37.25
  Bottom Layer 1 w0.5: U3_U_Opto_inputs4.1@162.844,33.5 162.893,33.549 v1(162.893,35.433)
OPTO_INPUT_K_U_Opto_inputs5: D5_U_Opto_inputs5.1 U3_U_Opto_inputs5.1 | length 3.8
  Top Layer w0.5: v1(172.874,35.433) 172.874,37.144 D5_U_Opto_inputs5.1@172.98,37.25
  Bottom Layer 1 w0.5: U3_U_Opto_inputs5.1@172.825,33.5 172.874,33.549 v1(172.874,35.433)
OPTO_INPUT_K_U_Opto_inputs6: D5_U_Opto_inputs6.1 U3_U_Opto_inputs6.1 | length 3.8
  Top Layer w0.5: v1(182.856,35.433) 182.856,37.144 D5_U_Opto_inputs6.1@182.962,37.25
  Bottom Layer 1 w0.5: U3_U_Opto_inputs6.1@182.807,33.5 182.856,33.549 v1(182.856,35.433)
OPTO_INPUT_K_U_Opto_inputs7: D5_U_Opto_inputs7.1 U3_U_Opto_inputs7.1 | length 3.8
  Top Layer w0.5: v1(192.837,35.433) 192.837,37.144 D5_U_Opto_inputs7.1@192.943,37.25
  Bottom Layer 1 w0.5: U3_U_Opto_inputs7.1@192.788,33.5 192.837,33.549 v1(192.837,35.433)
OPTO_INPUT_K_U_Opto_inputs8: D5_U_Opto_inputs8.1 U3_U_Opto_inputs8.1 | length 3.8
  Top Layer w0.5: v1(202.819,35.433) 202.819,37.144 D5_U_Opto_inputs8.1@202.925,37.25
  Bottom Layer 1 w0.5: U3_U_Opto_inputs8.1@202.77,33.5 202.819,33.549 v1(202.819,35.433)
OPTO_INPUT_SIGNAL_U_Opto_inputs1: J7_U_Opto_inputs1.1 J7_U_Opto_inputs1.2 R11_U_Opto_inputs1.1 | length 8
  Top Layer w0.5: J7_U_Opto_inputs1.2@134,26 J7_U_Opto_inputs1.1@134,31
  Bottom Layer 1 w0.5: J7_U_Opto_inputs1.1@134,31 135.379,32.379 R11_U_Opto_inputs1.1@135.379,33.447
OPTO_INPUT_SIGNAL_U_Opto_inputs2: J7_U_Opto_inputs2.1 J7_U_Opto_inputs2.2 R11_U_Opto_inputs2.1 | length 8
  Top Layer w0.5: J7_U_Opto_inputs2.2@143.982,26 J7_U_Opto_inputs2.1@143.982,31
  Bottom Layer 1 w0.5: J7_U_Opto_inputs2.1@143.982,31 145.36,32.379 R11_U_Opto_inputs2.1@145.36,33.447
OPTO_INPUT_SIGNAL_U_Opto_inputs3: J7_U_Opto_inputs3.1 J7_U_Opto_inputs3.2 R11_U_Opto_inputs3.1 | length 8
  Top Layer w0.5: J7_U_Opto_inputs3.2@153.963,26 J7_U_Opto_inputs3.1@153.963,31
  Bottom Layer 1 w0.5: J7_U_Opto_inputs3.1@153.963,31 155.342,32.379 R11_U_Opto_inputs3.1@155.342,33.447
OPTO_INPUT_SIGNAL_U_Opto_inputs4: J7_U_Opto_inputs4.1 J7_U_Opto_inputs4.2 R11_U_Opto_inputs4.1 | length 8
  Top Layer w0.5: J7_U_Opto_inputs4.2@163.945,26 J7_U_Opto_inputs4.1@163.945,31
  Bottom Layer 1 w0.5: J7_U_Opto_inputs4.1@163.945,31 165.324,32.379 R11_U_Opto_inputs4.1@165.324,33.447
OPTO_INPUT_SIGNAL_U_Opto_inputs5: J7_U_Opto_inputs5.1 J7_U_Opto_inputs5.2 R11_U_Opto_inputs5.1 | length 8
  Top Layer w0.5: J7_U_Opto_inputs5.2@173.926,26 J7_U_Opto_inputs5.1@173.926,31
  Bottom Layer 1 w0.5: J7_U_Opto_inputs5.1@173.926,31 175.305,32.379 R11_U_Opto_inputs5.1@175.305,33.447
OPTO_INPUT_SIGNAL_U_Opto_inputs6: J7_U_Opto_inputs6.1 J7_U_Opto_inputs6.2 R11_U_Opto_inputs6.1 | length 8
  Top Layer w0.5: J7_U_Opto_inputs6.2@183.908,26 J7_U_Opto_inputs6.1@183.908,31
  Bottom Layer 1 w0.5: J7_U_Opto_inputs6.1@183.908,31 185.287,32.379 R11_U_Opto_inputs6.1@185.287,33.447
OPTO_INPUT_SIGNAL_U_Opto_inputs7: J7_U_Opto_inputs7.1 J7_U_Opto_inputs7.2 R11_U_Opto_inputs7.1 | length 8
  Top Layer w0.5: J7_U_Opto_inputs7.2@193.89,26 J7_U_Opto_inputs7.1@193.89,31
  Bottom Layer 1 w0.5: J7_U_Opto_inputs7.1@193.89,31 195.268,32.379 R11_U_Opto_inputs7.1@195.268,33.447
OPTO_INPUT_SIGNAL_U_Opto_inputs8: J7_U_Opto_inputs8.1 J7_U_Opto_inputs8.2 R11_U_Opto_inputs8.1 | length 8
  Top Layer w0.5: J7_U_Opto_inputs8.2@203.871,26 J7_U_Opto_inputs8.1@203.871,31
  Bottom Layer 1 w0.5: J7_U_Opto_inputs8.1@203.871,31 205.25,32.379 R11_U_Opto_inputs8.1@205.25,33.447
OPTO_MUX_A0: U1.68 U7.11 | length 31.7
  Top Layer w0.17: U7.11@154,41 156.193,41 v1(156.514,40.68) ; U1.68@162.82,64.73 162.82,64.058 163.322,63.556 163.322,60.463 163.068,60.209 v1(163.068,60.198)
  Bottom Layer 1 w0.17: v1(156.514,40.68) 155.956,41.237 155.956,47.244 158.115,49.403 158.115,57.785 159.258,58.928 161.798,58.928 v1(163.068,60.198)
OPTO_MUX_A1: U1.67 U7.10 | length 30.7
  Top Layer w0.17: U7.10@154,40.5 155.22,40.5 155.474,40.247 v1(155.563,40.247) ; U1.67@162.32,64.73 162.335,64.715 162.335,63.979 162.941,63.373 162.941,61.722 v1(162.56,61.341)
  Bottom Layer 1 w0.17: v1(155.563,40.247) 155.067,40.743 155.067,47.752 156.972,49.657 156.972,57.15 161.163,61.341 v1(162.56,61.341)
OPTO_MUX_A2: U1.66 U7.9 | length 30.8
  Top Layer w0.17: U7.9@154,40 154.375,40 154.773,39.602 154.972,39.602 v1(155.035,39.539) ; U1.66@161.82,64.73 161.82,63.833 162.242,63.411 162.242,62.42 v1(162.179,62.357)
  Bottom Layer 1 w0.17: v1(155.035,39.539) 154.972,39.602 154.972,39.848 154.051,40.769 154.051,48.006 155.575,49.53 155.575,56.388 161.036,61.849 161.787,61.849 161.908,61.969 161.908,61.996 162.179,62.268 v1(162.179,62.357)
OPTO_MUX_D: U1.64 U7.3 | length 33.6
  Top Layer w0.17: v1(146.508,42.749) 146.597,42.749 146.845,42.5 U7.3@151,42.5 ; v1(158.242,60.706) 158.335,60.706 158.532,60.902 160.29,60.902 160.799,61.412 160.799,63.496 160.82,63.517 U1.64@160.82,64.73
  Bottom Layer 1 w0.17: v1(146.508,42.749) 146.508,43.244 154.051,50.787 154.051,56.134 157.938,60.021 157.938,60.313 158.242,60.617 v1(158.242,60.706)
OPTO_MUX_EN: U1.65 U7.6 | length 31.3
  Top Layer w0.17: v1(149.479,40.386) 149.555,40.386 150.169,41 U7.6@151,41 ; U1.65@161.32,64.73 161.32,63.432 161.417,63.335 v1(161.417,63.246)
  Bottom Layer 1 w0.17: v1(149.479,40.386) 150.171,40.386 151.647,41.862 151.647,47.253 155.067,50.673 155.067,56.515 160.698,62.146 161.354,62.802 v1@161.354,63.094
OPTO_OUTPUT: D3.2 R7.1 R8.1 U1.50 | length 61.1
  Top Layer w0.17: U1.50@153.82,64.73 153.82,66.252 v1(154.203,66.635)
  Top Layer w0.5: v1(118.9,36.3) 118.91,36.31 119.06,36.31 D3.2@120,37.25
  Inner Layer 4 w0.3: v1(124.46,44.196) 124.46,50.978 v1(125.019,51.537)
  Bottom Layer 1 w0.17: 137.167,62.967 141.554,62.967 144.374,65.786 153.354,65.786 v1(154.203,66.635)
  Bottom Layer 1 w0.3: v1(118.9,36.3) 118.852,36.252 118.185,36.252 117.4,37.037 117.4,39 117.999,39.599 122.453,39.599 124.202,41.347 124.202,41.552 R7.1@124.45,41.8 R8.1@124.45,43.05 124.455,43.055 124.455,44.191 v1(124.46,44.196) ; v1(125.019,51.537) 125.737,51.537 137.167,62.967
OPTO_OUTPUT_K: D3.1 R9.2 | length 2.8
  Top Layer w0.5: v1(120.701,36.017) 120.701,36.301 D3.1@121.65,37.25
  Bottom Layer 1 w0.5: v1(120.701,36.017) 120.762,35.956 121.544,35.956 121.723,35.777 R9.2@121.723,35.75
OPTO_OUTPUT_SIGNAL: J11.1 J11.2 U4.3 | length 8.2
  Top Layer w0.5: J11.2@124,26 J11.1@124,31
  Bottom Layer 1 w0.5: U4.3@121.717,33.244 121.817,33.244 124,31.061 J11.1@124,31
OPTO_OUTPUT_SOURCE: J9.1 J9.2 U4.4 | length 7.3
  Top Layer w0.5: J9.2@119,26 J9.1@119,31
  Bottom Layer 1 w0.5: J9.1@119,31 119,33.068 U4.4@119.177,33.244
OSC_en: P7.2 R32.1 Y2.1 | length 5.4
  Top Layer w0.17: Y2.1@175.25,69 175.322,68.928 R32.1@177.292,68.928 179.67,68.928 180.134,69.393 P7.2@180.467,69.393
OSC_IN_HSE: C1.1 U1.23 Y1.3 | length 9.3
  Top Layer w0.17: C1.1@137.535,75.717 137.693,75.559 137.693,75.335 137.898,75.13 138.765,74.263 Y1.3@139.065,74.263 139.072,74.256 141.847,74.256 143.083,73.02 145.53,73.02 U1.23@145.545,73.005
OSC_OUT_HSE: C2.2 U1.24 Y1.1 | length 13.4
  Top Layer w0.17: C2.2@136.614,70.536 135.88,71.27 135.88,71.348 135.365,71.863 Y1.1@135.065,71.863 136.303,73.101 142.342,73.101 142.938,72.505 U1.24@145.545,72.505
PDR_ON: P3.1 R1.2 U1.143 | length 12.2
  Top Layer w0.3: U1.143@147.82,85.78 147.82,91.32 149.515,93.015 R1.2@151.975,93.015 152.324,93.363 P3.1@152.324,94.717
PFBOUT: C33.2 C34.1 C35.1 C36.1 U5.16 U5.19 U5.30 | length 26.9
  Top Layer w0.17: v1(171.019,66.368) 171,66.349 171,65.557 C34.1@171.482,65.075 171.482,63.955 172.166,63.271 172.227,63.271 172.267,63.231 U5.30@172.267,63.056 ; U5.16@177.417,60.406 177.442,60.431 179.074,60.431 179.196,60.554 v1(179.299,60.554) ; U5.19@177.417,61.906 177.457,61.946 177.775,61.946 177.83,62.001 177.851,62.001 178.268,62.418 178.268,62.844 C35.1@178.74,63.316 178.886,63.17 179.375,63.17 179.711,62.833 C33.2@180.442,62.833 ; v1(180.442,63.602) C33.2@180.442,62.833 ; C36.1@182,62.75 C33.2@180.5,62.75 180.5,62.775 C33.2@180.442,62.833
  Inner Layer 4 w0.17: v1(171.019,66.368) 171.022,66.365 171.022,65.478 171.665,64.835 176.165,64.835 177.398,63.602 v1(180.442,63.602)
  Bottom Layer 1 w0.17: v1(179.299,60.554) 180.442,61.697 v1(180.442,63.602)
PMOS_SHFT_1TO5_NOE: J1.48 U1.9 | length 47.5
  Top Layer w0.17: v1(132.969,91.999) 132.969,87.097 141.148,78.918 143.307,78.918 144.394,80.005 U1.9@145.545,80.005
  Bottom Layer 1 w0.3: J1.48@114.5,89 113,90.5 113,93.315 113.919,94.234 130.734,94.234 v1(132.969,91.999)
PMOS_SHFT_1TO5_RCLK: J1.46 U1.8 | length 51.5
  Top Layer w0.17: v1(134.417,92.177) 134.417,86.893 140.178,81.132 141.503,79.807 143.459,79.807 144.157,80.505 U1.8@145.545,80.505
  Bottom Layer 1 w0.3: J1.46@114.5,87 112,89.5 112,93.966 112.903,94.869 131.724,94.869 v1(134.417,92.177)
PMOS_SHFT_1TO5_SER: J1.50 U1.15 | length 44.3
  Top Layer w0.17: v1(130.658,92.024) 131.648,91.034 131.648,86.97 138,80.618 138,77.922 139.34,76.581 140.862,76.581 141.602,77.321 143.676,77.321 143.991,77.005 U1.15@145.545,77.005
  Bottom Layer 1 w0.3: J1.50@114.5,91 114.5,92.402 115.57,93.472 129.21,93.472 v1(130.658,92.024)
PMOS_SHFT_1TO5_SRCLK: J1.44 U1.12 | length 61
  Top Layer w0.17: v1(140.589,92.075) 140.589,89.735 145.709,84.615 146.064,84.615 147.364,83.315 147.364,79.317 146.552,78.505 U1.12@145.545,78.505
  Bottom Layer 1 w0.3: J1.44@114.5,85 110.871,88.629 110.871,94.615 111.887,95.631 137.643,95.631 140.589,92.685 v1(140.589,92.075)
PMOS_SHFT_1TO5_SRCLR: J1.42 U1.135 | length 69.5
  Top Layer w0.17: U1.135@151.82,85.78 151.82,88.627 153.653,90.461 153.782,90.461 154,90.678 v1(154.762,90.678)
  Bottom Layer 1 w0.3: J1.42@114.5,83 114.128,83 113.788,83.34 113.764,83.34 109.906,87.198 109.906,94.92 111.506,96.52 134.605,96.52 134.608,96.517 135.242,96.517 135.245,96.52 137.997,96.52 138.784,95.733 143.216,95.733 149.315,89.634 149.948,89.634 150.002,89.687 153.102,89.687 153.329,89.914 153.998,89.914 v1(154.762,90.678)